# Altium PCB CTR_PAD.PcbDoc
Units mm, origin at the board's own origin, x right, y up, seen from the top; angles counter-clockwise.
Board outline 58 x 87.58 mm, 4 copper layers (TOP_01, PWR_02, GND_03, BOT_04), stack 1.883 mm thick; 57 components, 68 nets, 285 pads, 123 vias.
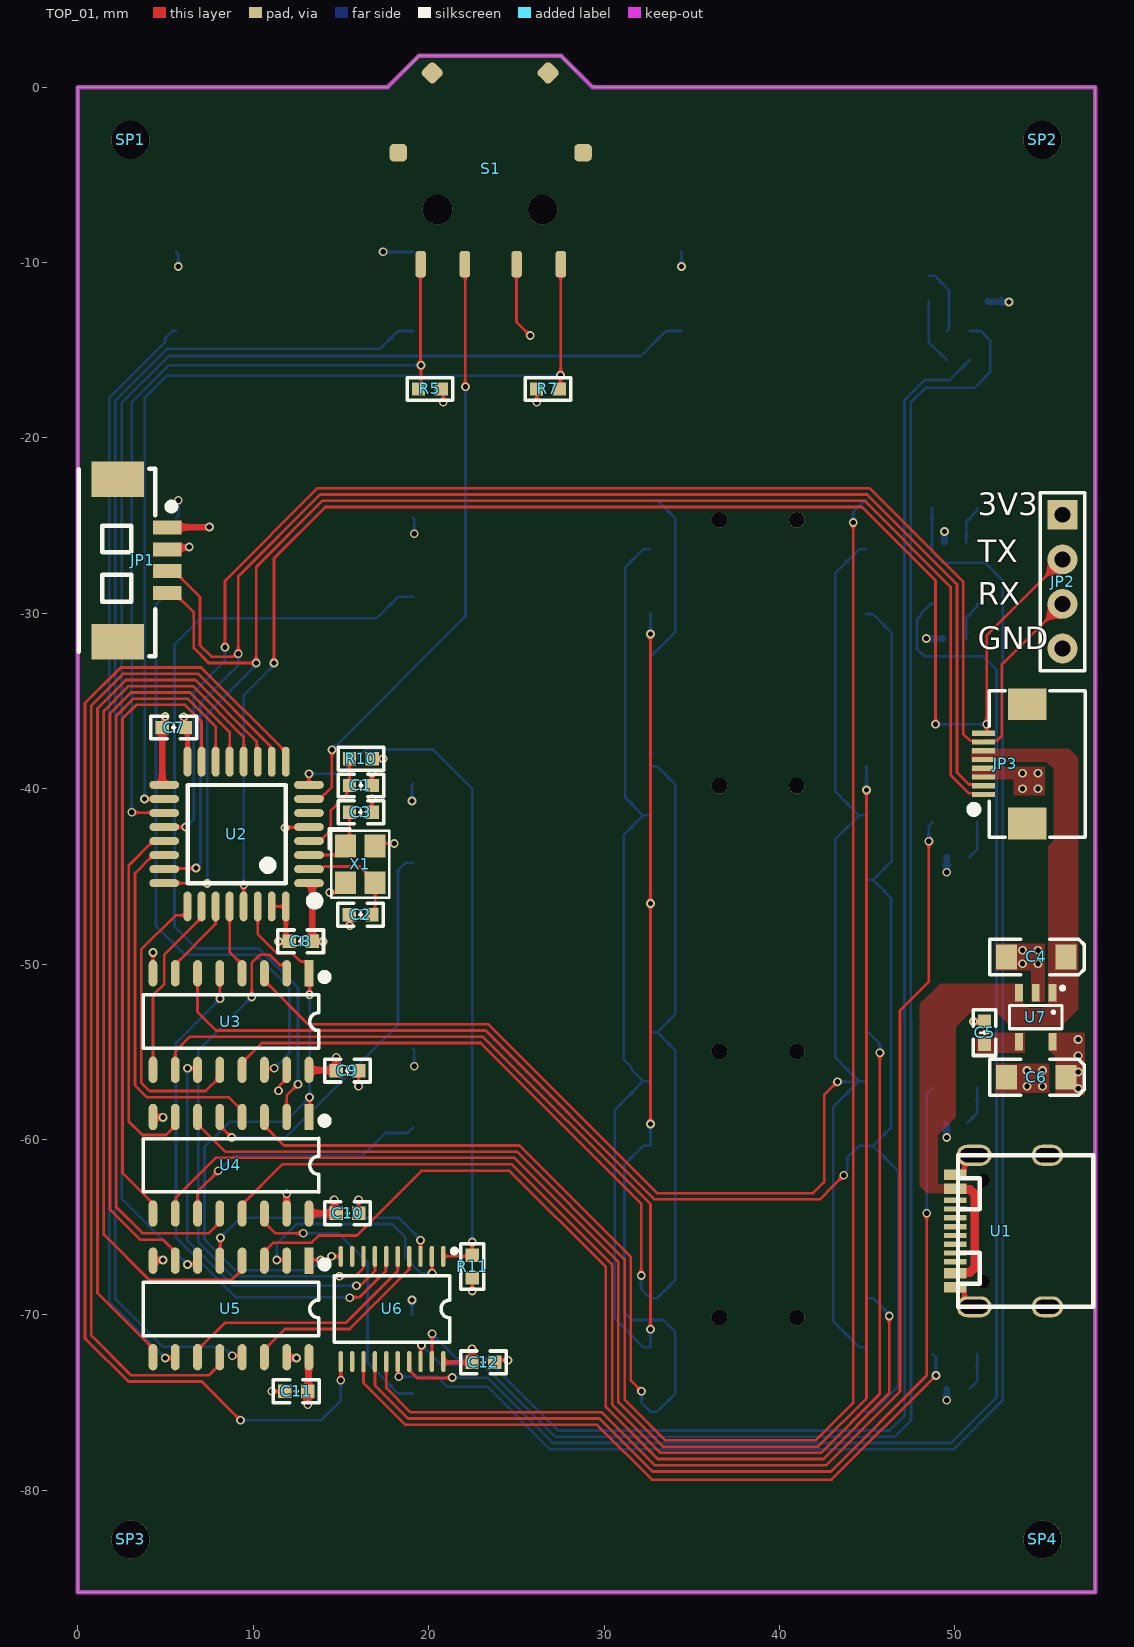
[diagram p0: TOP_01 view]
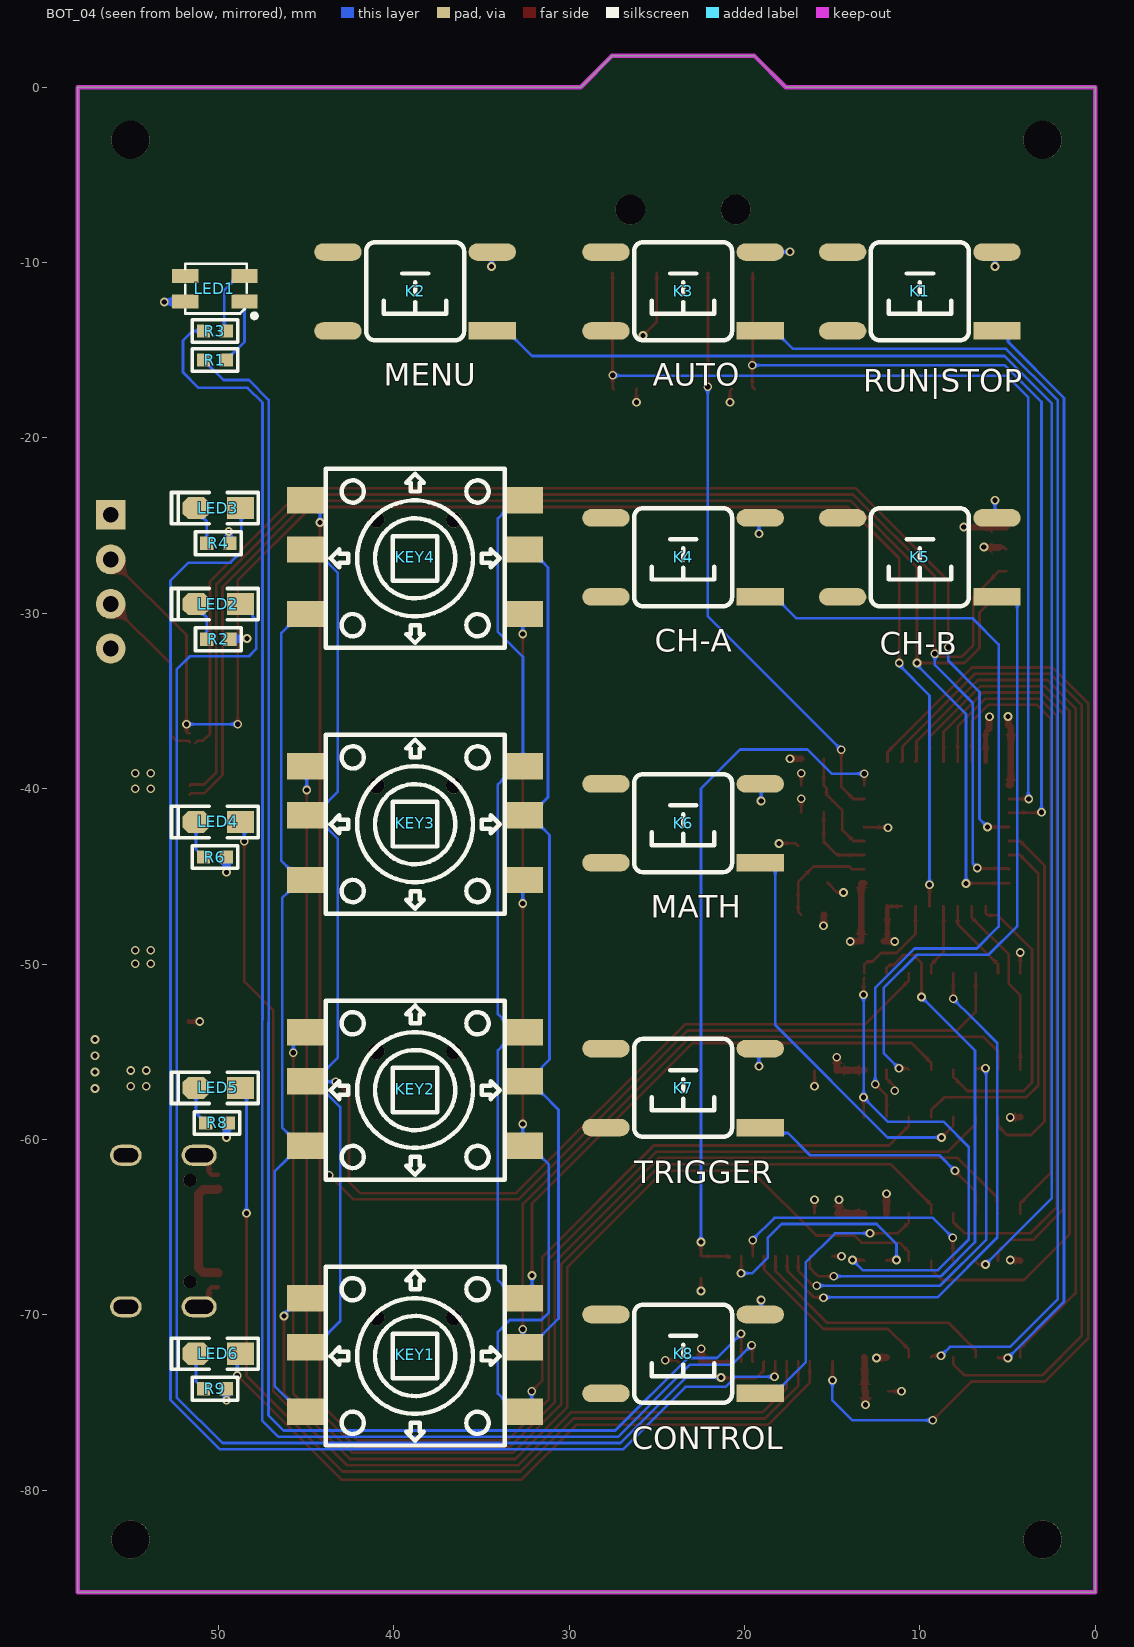
[diagram p1: BOT_04 view, seen from below]
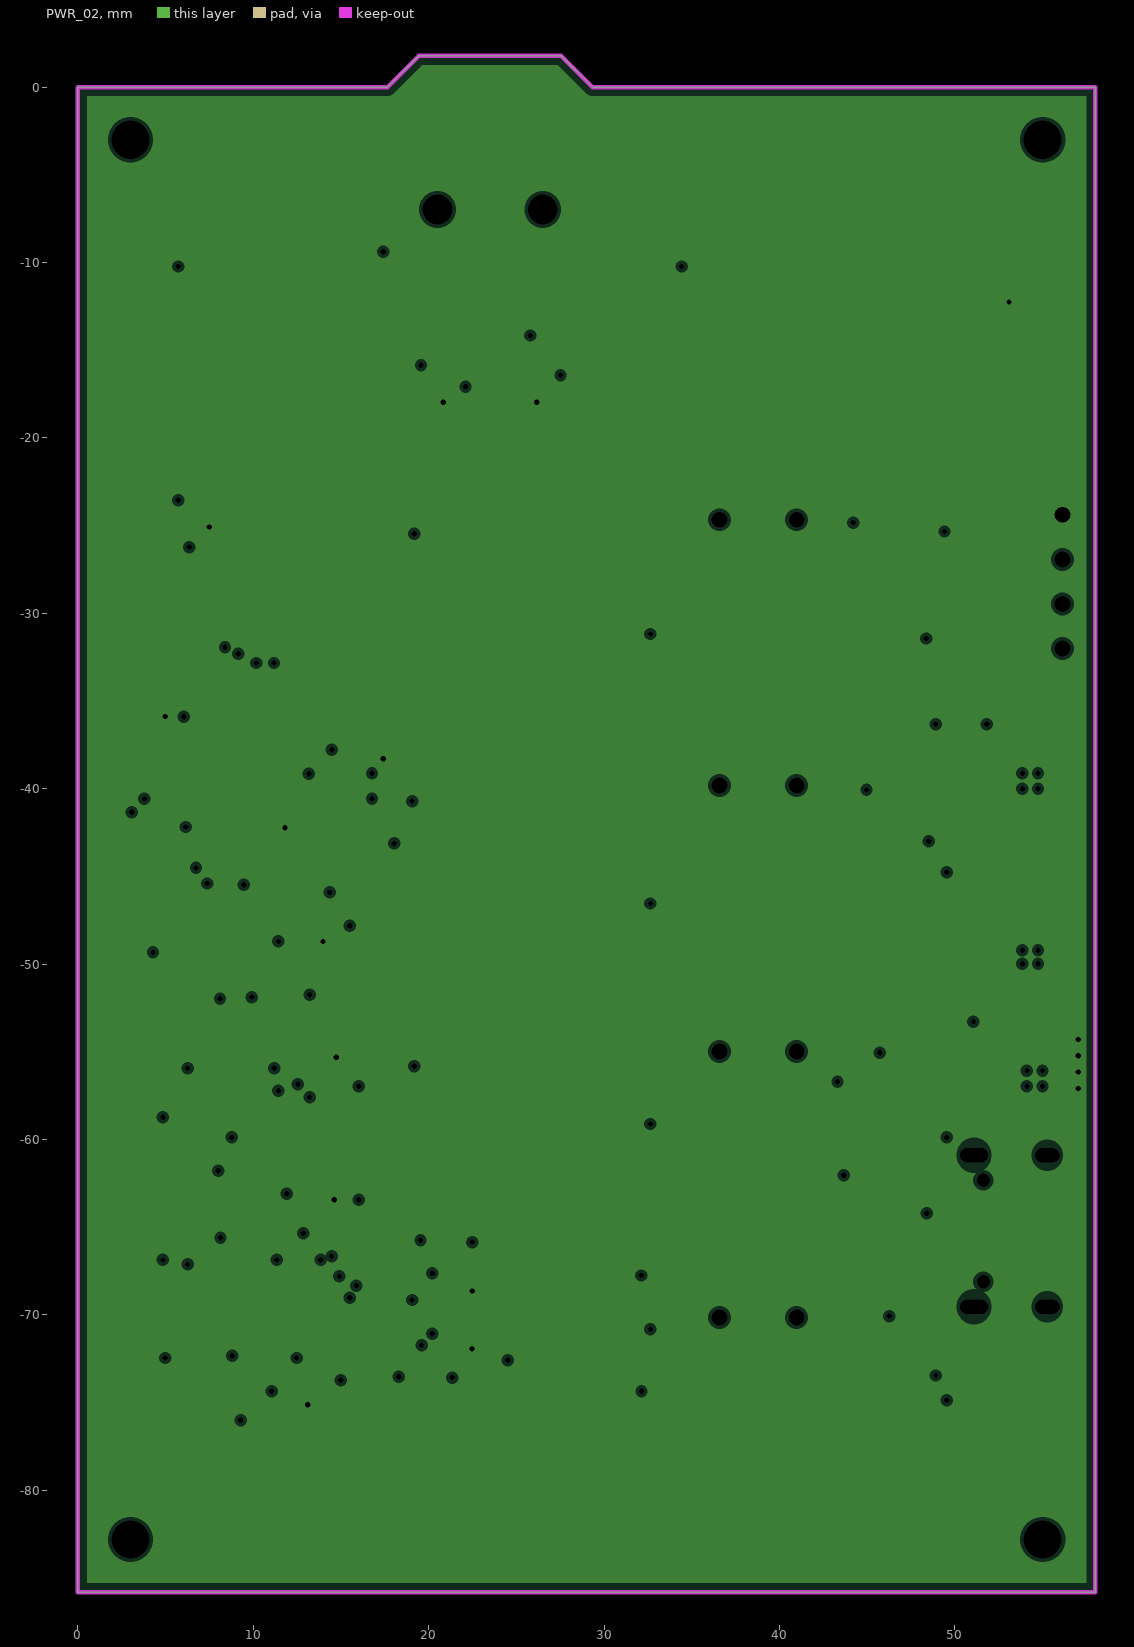
[diagram p2: PWR_02, clearances drawn from the general rule]
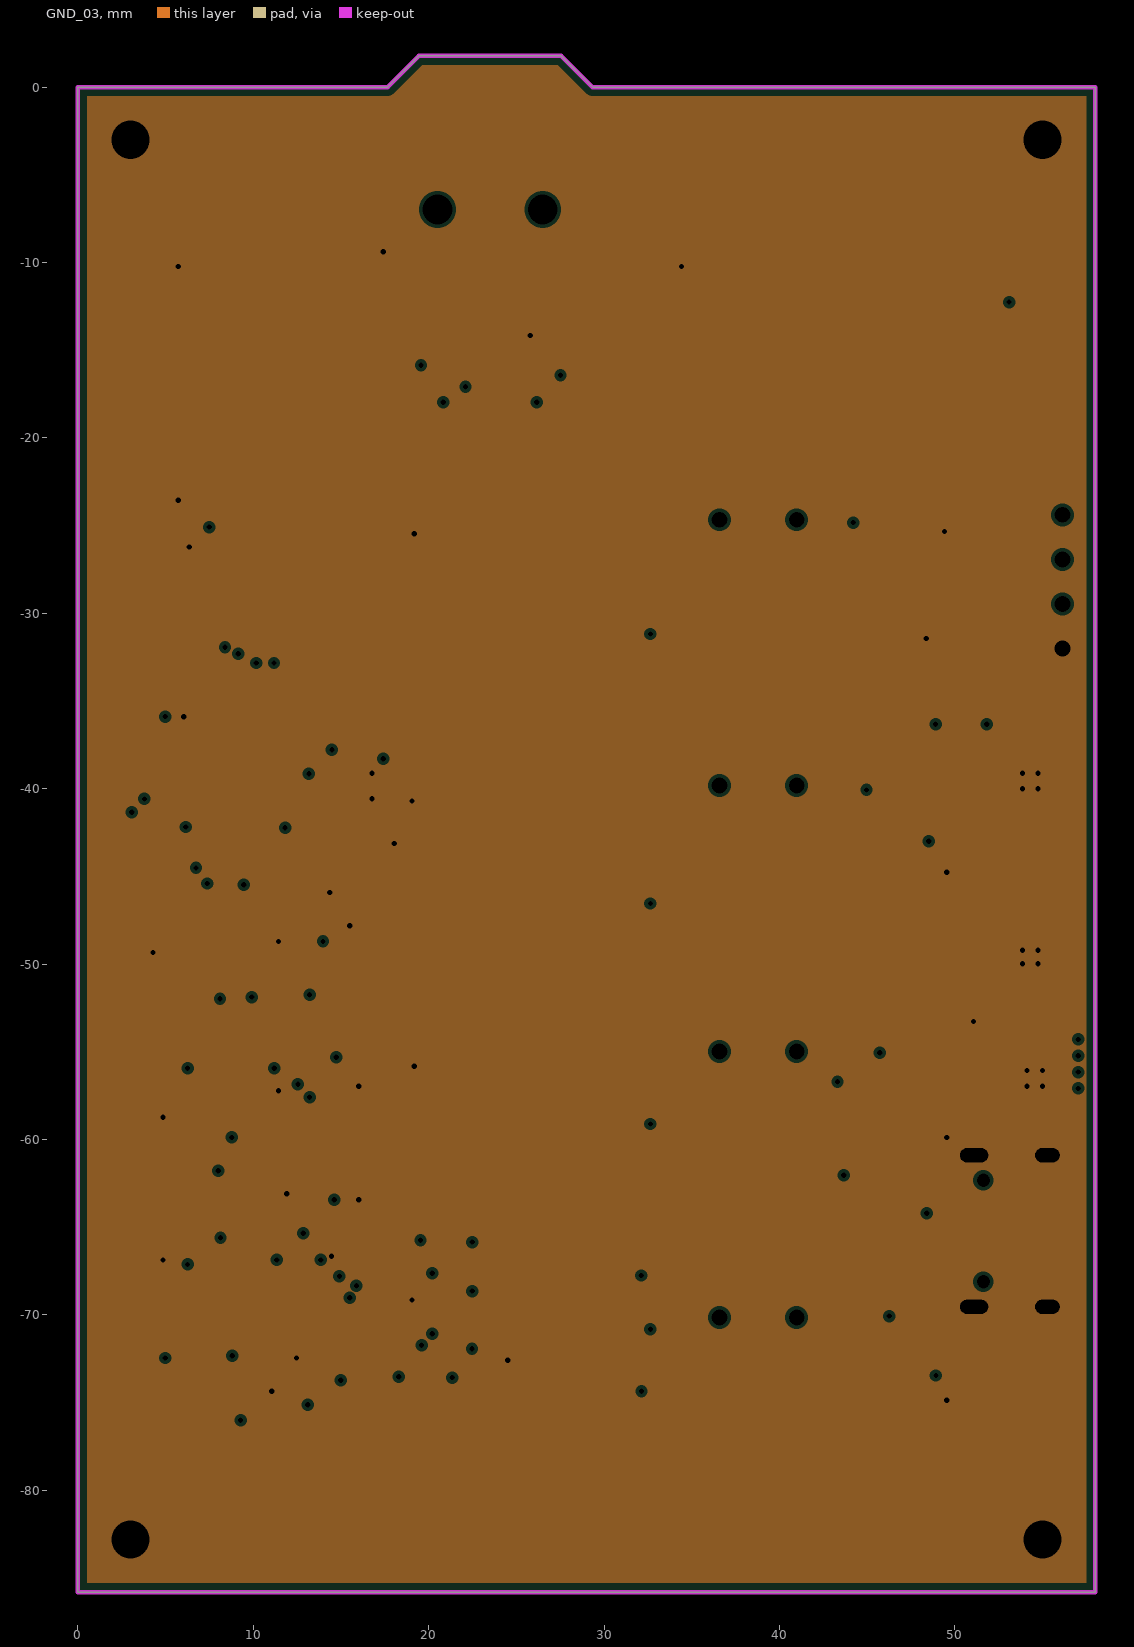
[diagram p3: GND_03, clearances drawn from the general rule]

## Layer stack, top to bottom
Top Solder: solder mask 0.0102, Solder Resist, Dk 3.5
TOP_01: signal copper 0.0356
Dielectric 2: prepreg 0.0711, PP-006, Dk 4.1
PWR_02: plane copper 0.035, net 3V3
Dielectric 1: dielectric 1.6, FR-4, Dk 4.8
GND_03: plane copper 0.035, net DGND
Dielectric 3: prepreg 0.0711, PP-006, Dk 4.1
BOT_04: signal copper 0.0356
Bottom Solder: solder mask 0.0102, Solder Resist, Dk 3.5

## Board outline
0,-85.8 0,0 17.653,0 19.431,1.778 27.559,1.778 29.337,0 58,0 58,-85.8

## Design rules (kind name [scope] priority, off if disabled: settings)
Clearance [All] p1: gap=0.203 ignorepadtopadclearanceinfootprint=TRUE except(0.152: Via-Via)
DiffPairsRouting [All] p1: maxlimit=0.381 minlimit=0.152 mostfreqgap=0.254 toplayer_minwidth=0.152 toplayer_maxwidth=0.381 toplayer_prefwidth=0.152 bottomlayer_minwidth=0.152 bottomlayer_maxwidth=0.381 bottomlayer_prefwidth=0.152 maxuncoupledlength=12.7
PlaneClearance [All] p1: clearance=0.203
PlaneConnect [All] p1: planeconnectstyle=Direct reliefexpansion=0.508 reliefentries=4 reliefconductorwidth=0.254 reliefairgap=0.254
PolygonConnect [All] p1: connectstyle=Direct reliefconductorwidth=0.254 reliefentries=4 polygonreliefangle="90 Angle" airgapwidth=0.254
RoomDefinition CTR_PAD [InComponentClass('CTR_PAD')] p1: confinementstyle=ConfineIn formatcopy=TRUE lockcomponents=FALSE outline -133.026,-125.895 -82.226,-125.895 -82.226,-100.495 -133.026,-100.495
RoutingVias [All] p1: holewidth=0.3 width=0.5 viastyle="Through Hole" minholewidth=0.3 minwidth=0.5 maxholewidth=0.3 maxwidth=0.5
SolderMaskExpansion [All] p1: expansion=0.102 istentingtop=FALSE
Width [All] p1: maxlimit=1.27 minlimit=0.152 preferedwidth=0.152
27 further rules are at their usual default settings.

## Components (designator, comment, footprint, x,y, rotation, side; value= is the part's Value field where it differs from the comment)
C1 "100nF" "C 0603_L" 16.129,-39.814 r180 top
C2 "12pF" "C 0603_L" 16.114,-47.18 r0 top
C3 "12pF" "C 0603_L" 16.129,-41.338 r180 top
C4 "1uF" "CD A(3216)" 54.641,-49.593 r180 top
C5 "10nF" "C 0603_L" 51.689,-53.911 r270 top
C6 "1uF" "CD A(3216)" 54.641,-56.451 r180 top
C7 "100nF" "C 0603_L" 5.461,-36.512 r180 top
C8 "100nF" "C 0603_L" 12.7,-48.704 r0 top
C9 "100nF" "C 0603_L" 15.367,-56.07 r180 top
C10 "100nF" "C 0603_L" 15.367,-64.198 r180 top
C11 "100nF" "C 0603_L" 12.446,-74.358 r0 top
C12 "100nF" "C 0603_L" 23.114,-72.707 r180 top
JP1 "HDR-1X4" "MX 1.25-WS-4P" 2.279,-26.987 r270 top
JP2 "HDR-1X4" HDR2.54-LI-4P 56.134,-28.194 r270 top
JP3 "FPC1.0-8P" "FPC0.5 2H-WS-8P" 54.127,-38.583 r90 top
K1 "6x6x5" "TSW SMD-6*6*4.3" 10,-11.64 r0 bottom
K2 "6x6x5" "TSW SMD-6*6*4.3" 38.778,-11.64 r0 bottom
K3 "6x6x5" "TSW SMD-6*6*4.3" 23.5,-11.64 r0 bottom
K4 "6x6x5" "TSW SMD-6*6*4.3" 23.5,-26.8 r0 bottom
K5 "6x6x5" "TSW SMD-6*6*4.3" 10,-26.8 r0 bottom
K6 "6x6x5" "TSW SMD-6*6*4.3" 23.5,-41.96 r0 bottom
K7 "6x6x5" "TSW SMD-6*6*4.3" 23.5,-57.056 r0 bottom
K8 "6x6x5" "TSW SMD-6*6*4.3" 23.5,-72.216 r0 bottom
KEY1 "KEY-5D" KEY-5D-SMD 38.778,-72.28 r180 bottom
KEY2 "KEY-5D" KEY-5D-SMD 38.778,-57.12 r180 bottom
KEY3 "KEY-5D" KEY-5D-SMD 38.778,-41.96 r180 bottom
KEY4 "KEY-5D" KEY-5D-SMD 38.778,-26.8 r180 bottom
LED1 "RGB-3528" "LED 3528-4Pin" 50.19,-11.488 r0 bottom
LED2 "红色" "LED 0805Y" 50,-29.473 r0 bottom
LED3 "红色" "LED 0805Y" 50,-24 r0 bottom
LED4 "红色" "LED 0805R" 50,-41.896 r0 bottom
LED5 "红色" "LED 0805R" 50,-57.056 r0 bottom
LED6 "红色" "LED 0805R" 50,-72.216 r0 bottom
R1 "330" "R 0603_L" 50.191,-15.557 r180 bottom
R2 "4.7K" "R 0603_L" 50,-31.473 r0 bottom
R3 "330" "R 0603_L" 50.191,-13.906 r180 bottom
R4 "4.7K" "R 0603_L" 50,-26 r0 bottom
R5 "10K" "R 0603_L" 20.066,-17.208 r180 top
R6 "4.7K" "R 0603_L" 50.191,-43.896 r0 bottom
R7 "10K" "R 0603_L" 26.797,-17.208 r180 top
R8 "4.7K" "R 0603_L" 50.063,-59.056 r0 bottom
R9 "4.7K" "R 0603_L" 50.191,-74.216 r0 bottom
R10 "10K" "R 0603_L" 16.129,-38.29 r180 top
R11 "10K" "R 0603_L" 22.479,-67.246 r90 top
S1 "WHEEL-SWITCH" WHEEL-SWITCH 23.5,-9.73 r0 top
SP1 "M2铜柱" M2#1 -26.092,-36.36 r0 top
SP2 "M2铜柱" M2#2 -20.758,-36.36 r0 top
SP3 "M2铜柱" M2#3 -14.916,-36.36 r0 top
SP4 "M2铜柱" M2#4 55,-82.8 r0 top
U1 "USB-C" USB-C-16 52.646,-65.216 r90 top
U2 "STM32F030K6_T" "LQFP32 7X7_N" 9.049,-42.583 r90 top
U3 "CH440" SOP16_L 8.724,-53.276 r270 top
U4 "CH440" SOP16_L 8.724,-61.467 r270 top
U5 "CH440" SOP16_L 8.724,-69.659 r270 top
U6 "74HC573" TSSOP20_L 17.907,-69.659 r270 top
U7 "SP6201-3.3" SOT23-5L 54.61,-53.022 r180 top
X1 "8MHz" "OSC 3225-4P" 16.092,-44.31 r270 top

## Footprints (in the part's own frame and the unit in brackets; to place one, negate y for a bottom-side part, rotate by r counter-clockwise, add the part's x,y. Pads: shape width x height; smd on the part's side, far side on the other; paste and mask are expansions set on the pad)
"C 0603_L" [mil] "无极性贴片电容"
  rect 30x30 smd: 1(-25.59,0) 2(25.59,0)
  silkscreen extent -51,-26 51,26, body extent -31,-16 31,16, height 32
"CD A(3216)" [mm] "长3.2mm，宽1.6mm，厚1.6mm"
  rect 1.2x1.4 smd: 1(-1.7,0) 2(1.7,0)
  silkscreen extent -2.74,-1.02 2.67,1.02, body extent -1.6,-0.8 1.6,0.8, height 1.6
"FPC0.5 2H-WS-8P" [mm] "长：8.2mm，宽：5.2mm，高：2mm"
  rect 1.8x2.2 smd: 0(-3.4,0) 0(3.4,0)
  rect 0.3x1.3 smd: 1(-1.75,2.497) 2(-1.25,2.497) 3(-0.75,2.497) 4(-0.25,2.497) 5(0.25,2.497) 6(0.75,2.497) 7(1.25,2.497) 8(1.75,2.497)
  silkscreen extent -4.17,-3.3 4.17,3.23, body extent -4.1,-3.15 4.1,2.85, height 2
HDR2.54-LI-4P [mm] "排针，4脚"
  rect 1.7x1.7 hole 0.9: 1(-3.81,0)
  round 1.7 hole 0.9: 2(-1.27,0) 3(1.27,0) 4(3.81,0)
  silkscreen extent -5.08,-1.27 5.08,1.27, body extent -5.08,-1.27 5.08,1.27, height 8.5
KEY-5D-SMD [mm]
  rect 2.3x1.5 smd: 1(-6.15,3.239) 2(-6.15,0.445) 3(-6.15,-3.239) 4(6.15,3.239) 5(6.15,0.444) 6(6.15,-3.239)
  round 0.9 hole 0.9 unplated: ""(-2.2,2.136) ""(2.2,2.136)
  silkscreen extent -5.1,-5.16 5.1,5.04, body extent -5.35,-4.87 5.35,5.13, height 7.1
"LED 0805R" [mil] "红色0805LED"
  rect 60x50 smd: 1(-50,0)
  oct 60x50 smd: 2(50,0)
  silkscreen extent -90,-35 105,35, body extent -39,-25 39,25, height 26
"LED 0805Y" [mil] "黄色0805LED"
  rect 60x50 smd: 1(-50,0)
  oct 60x50 smd: 2(50,0)
  silkscreen extent -90,-35 105,35, body extent -39,-25 39,25, height 26
"LED 3528-4Pin" [mm] "4脚，3528LED"
  rect 1.5x0.8 smd: 1(-1.689,0.725) 2(-1.689,-0.725) 3(1.689,-0.725) 4(1.689,0.725)
  silkscreen extent -2.37,-1.42 1.69,1.68, body extent -1.75,-1.4 1.75,1.4, height 1.95
"LQFP32 7X7_N" [mm] "32脚，体宽7x7mm，脚距0.8mm"
  oval 0.45x1.7 smd: 1(-2.8,-4.12) 2(-2,-4.12) 3(-1.2,-4.12) 4(-0.4,-4.12) 5(0.4,-4.12) 6(1.2,-4.12) 7(2,-4.12) 8(2.8,-4.12) 17(2.8,4.132) 18(2,4.132) 19(1.2,4.132) 20(0.4,4.132) 21(-0.4,4.132) 22(-1.2,4.132) 23(-2,4.132) 24(-2.8,4.132)
  oval 1.7x0.45 smd: 9(4.126,-2.8) 10(4.126,-2) 11(4.126,-1.2) 12(4.126,-0.4) 13(4.126,0.4) 14(4.126,1.2) 15(4.126,2) 16(4.126,2.8) 25(-4.126,2.8) 26(-4.126,2) 27(-4.126,1.2) 28(-4.126,0.4) 29(-4.126,-0.4) 30(-4.126,-1.2) 31(-4.126,-2) 32(-4.126,-2.8)
  silkscreen extent -4.06,-4.69 2.79,2.79, body extent -4.5,-4.5 4.5,4.5, height 1.45
M2#1 [mm] "M3螺丝孔，孔125Mil，焊盘200Mil"
  round 2.175 hole 2.175: 1(29.092,33.36)
M2#2 [mm] "M3螺丝孔，孔125Mil，焊盘200Mil"
  round 2.175 hole 2.175: 1(75.758,33.36)
M2#3 [mm] "M3螺丝孔，孔125Mil，焊盘200Mil"
  round 2.175 hole 2.175: 1(17.916,-46.44)
M2#4 [mm] "M3螺丝孔，孔125Mil，焊盘200Mil"
  round 2.175 hole 2.175: 1(0,0)
"MX 1.25-WS-4P" [mm] "长：10.15mm，宽：4.2mm，高：3.4mm"
  rect 2x3 smd: 0(-4.632,0) 0(4.632,0)
  rect 0.8x1.6 smd: 1(-1.889,2.811) 2(-0.639,2.811) 3(0.611,2.811) 4(1.861,2.811)
  silkscreen extent -5.23,-2.23 5.45,3.25, body extent -5.07,-2.1 5.07,3.09, height 3.4
"OSC 3225-4P" [mm] "3.2*2.5*0.7mm(长宽高)"
  rect 1.3x1.2 smd: 1(-1.05,-0.85) 2(1.05,-0.85) 3(1.05,0.85) 4(-1.05,0.85)
  silkscreen extent -2.03,-1.75 1.91,1.65, body extent -1.6,-1.25 1.6,1.25, height 0.7
"R 0603_L" [mil] "1/10W贴片电阻"
  rect 30x30 smd: 1(-25.59,0) 2(25.59,0)
  silkscreen extent -51,-26 51,26, body extent -31,-16 31,16, height 16
SOP16_L [mm] "10.3*6.2*1.8mm（长宽高）"
  rect 1.5x0.5 smd: 1(-2.752,4.445)
  oval 1.5x0.5 smd: 2(-2.752,3.175) 3(-2.752,1.905) 4(-2.752,0.635) 5(-2.752,-0.635) 6(-2.752,-1.905) 7(-2.752,-3.175) 8(-2.752,-4.445) 9(2.752,-4.445) 10(2.752,-3.175) 11(2.752,-1.905) 12(2.752,-0.635) 13(2.752,0.635) 14(2.752,1.905) 15(2.752,3.175) 16(2.752,4.445)
  silkscreen extent -2.69,-5 1.52,5.49, body extent -3,-5 3,5, height 1.9
SOT23-5L [mm] "3x1.6x1.1mm(长宽高)"
  rect 0.45x1 smd: 1(-0.95,-1.4) 2(0,-1.4) 3(0.95,-1.4) 4(0.95,1.4) 5(-0.95,1.4)
  silkscreen extent -1.6,-1.73 1.5,0.66, body extent -1.5,-1.4 1.5,1.4, height 1.15
TSSOP20_L [mm] "6.5*6.4*1（长宽高）"
  oval 1.2x0.25 smd: 1(-3,2.925) 2(-3,2.275) 3(-3,1.625) 4(-3,0.975) 5(-3,0.325) 6(-3,-0.325) 7(-3,-0.975) 8(-3,-1.625) 9(-3,-2.275) 10(-3,-2.925) 11(3,-2.925) 12(3,-2.275) 13(3,-1.625) 14(3,-0.975) 15(3,-0.325) 16(3,0.325) 17(3,0.975) 18(3,1.625) 19(3,2.275) 20(3,2.925)
  silkscreen extent -3.43,-3.3 1.91,3.69, body extent -3.2,-3.25 3.2,3.25, height 1.03
"TSW SMD-6*6*4.3" [mm] "6*6*4.3mm"
  rect 2.7x1 smd: 1(-4.4,2.261)
  oval 2.7x1 smd: 2(-4.4,-2.239) 3(4.4,-2.239) 4(4.4,2.261)
  silkscreen extent -2.79,-2.79 2.79,2.79, body extent -4.5,-3 4.5,3, height 4.25
USB-C-16 [mm]
  rect 0.6x1.3 smd: 1(-3.2,2.623) 2(-2.4,2.623) 11(2.4,2.623) 12(3.2,2.623)
  rect 0.3x1.3 smd: 3(1.75,2.623) 4(1.25,2.624) 5(0.75,2.623) 6(0.25,2.623) 7(-0.25,2.623) 8(-0.75,2.623) 9(-1.25,2.623) 10(-1.75,2.624)
  oval 1.2x2 hole 0.8 slot 1.6 at 90 deg: 13(-4.32,1.556) 14(4.32,1.556)